# Altium PCB RF Triangulation Receiver.PcbDoc
Units mil, origin at the board's own origin, x right, y up, seen from the top; angles counter-clockwise.
Board outline 6000 x 4000 mil, 2 copper layers (Top Layer, Bottom Layer), stack 43.307 mil thick; 29 components, 17 nets, 179 pads, 23 vias.
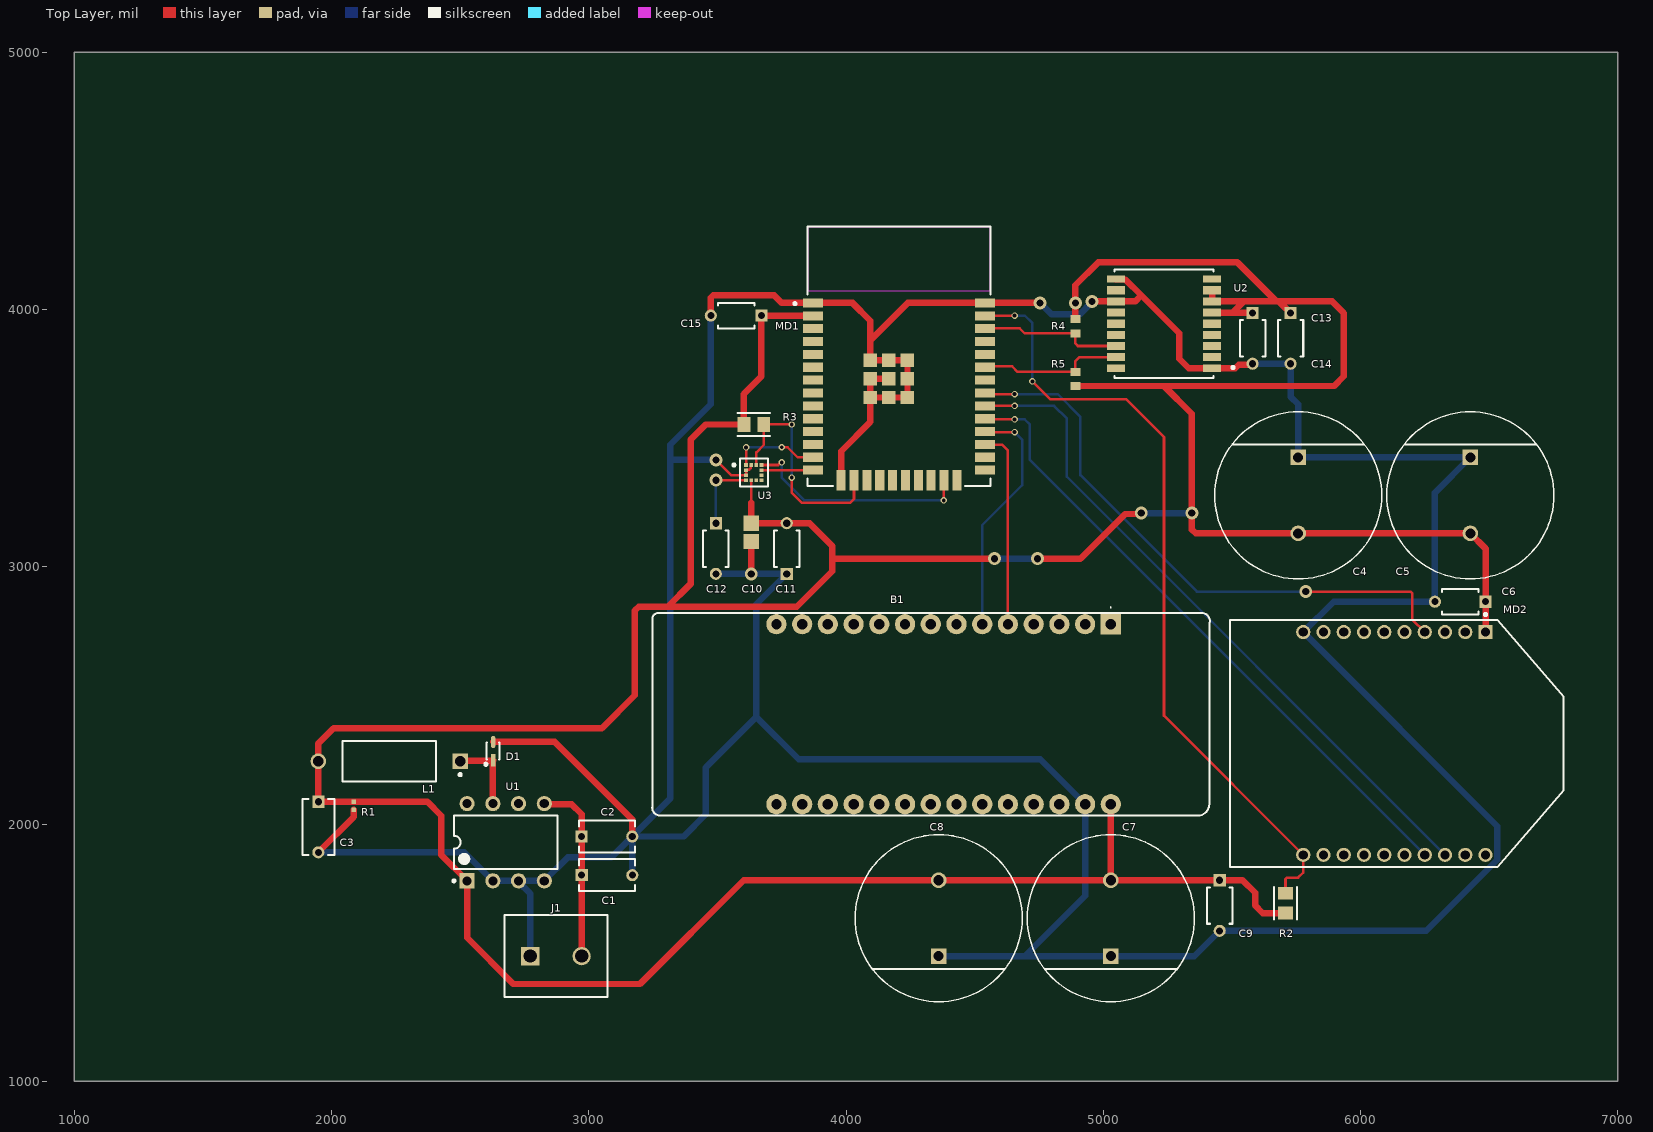
[diagram p0: Top Layer view]
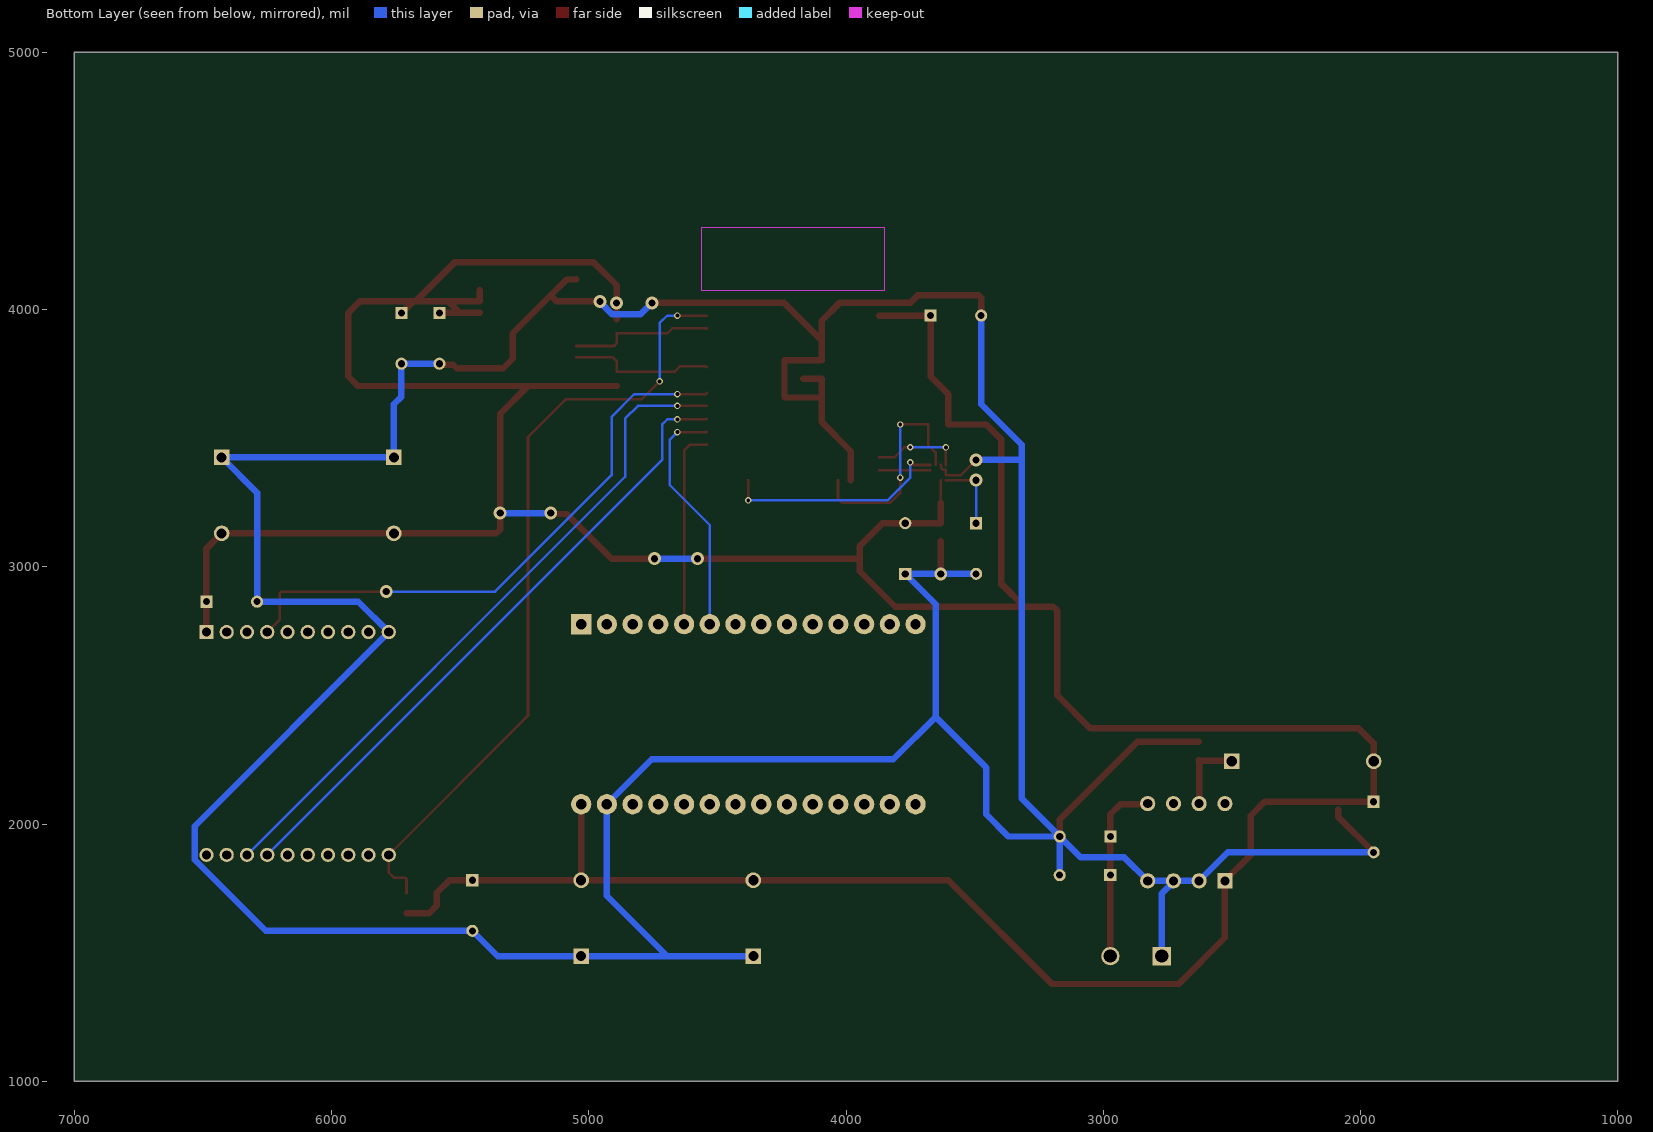
[diagram p1: Bottom Layer view, seen from below]
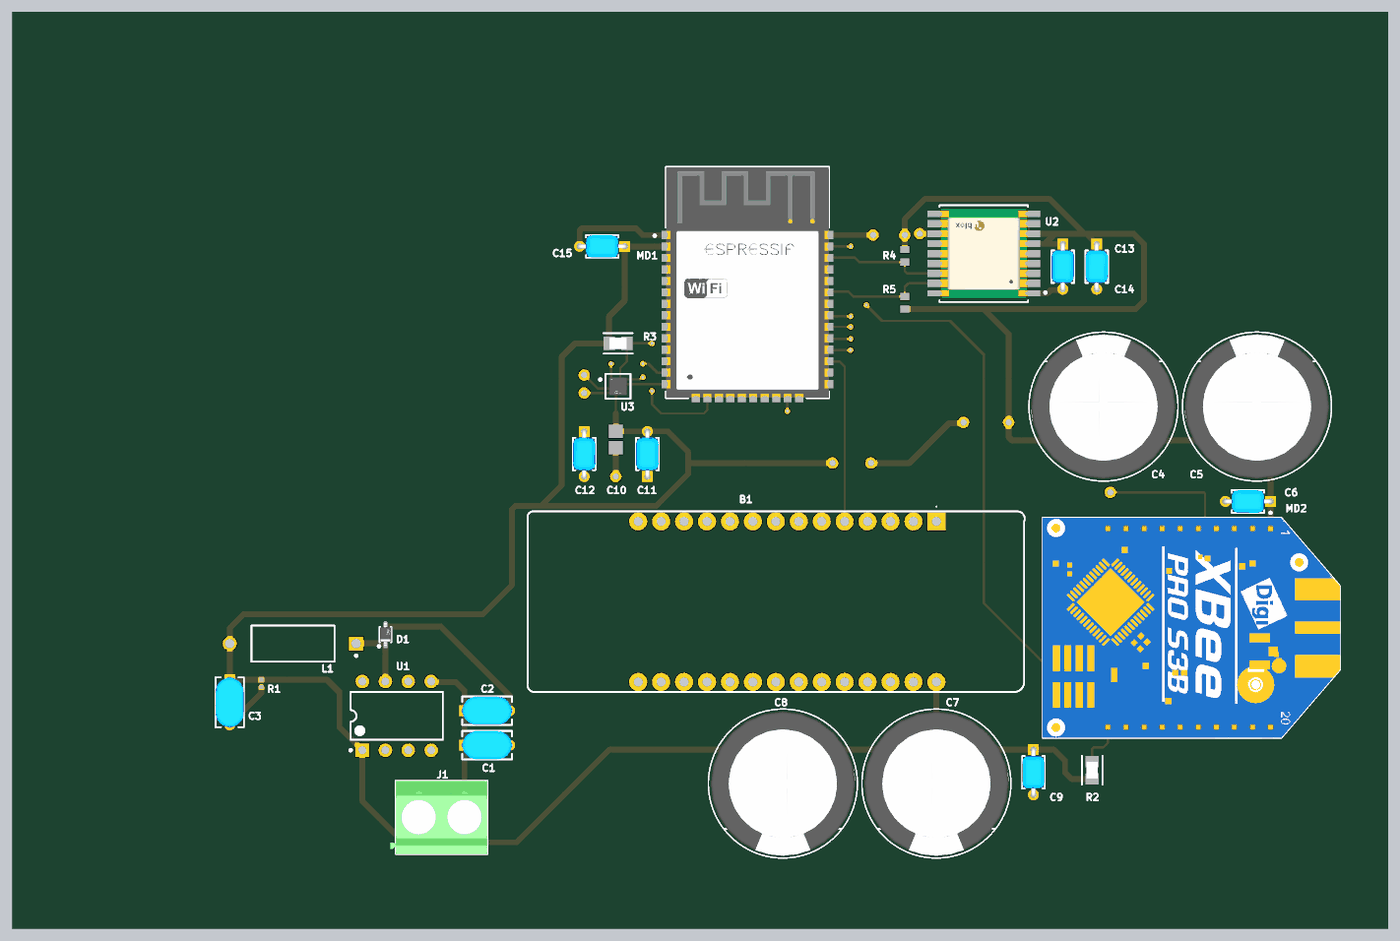
[diagram p2: 3D render of the assembled board from above, using the file's embedded part models]

## Layer stack, top to bottom
Top Solder: solder mask 1.9685, Solder Resist, Dk 3.5
Top Layer: signal copper 3.937
Dielectric 1: dielectric 35.4331, FR-4, Dk 4.8
Bottom Layer: signal copper 3.937
Bottom Solder: solder mask 1.9685, Solder Resist, Dk 3.5

## Board outline
1000,1000 7000,1000 7000,5000 1000,5000

## Design rules (kind name [scope] priority, off if disabled: settings)
Clearance [All] p1: gap=5.9 ignorepadtopadclearanceinfootprint=FALSE
PolygonConnect [All] p1: connectstyle=Relief reliefconductorwidth=10 reliefentries=4 polygonreliefangle="90 Angle" airgapwidth=10
RoutingVias [All] p1: holewidth=32 width=35 viastyle="Through Hole" minholewidth=32 minwidth=35 maxholewidth=34 maxwidth=35
SolderMaskExpansion [All] p1: expansion=4 istentingtop=FALSE
Width WidthPOW [(InNet('3.3') OR InNet('3.3V') OR InNet('GND') OR InNet('VCC'))] p1: maxlimit=30 minlimit=10 preferedwidth=25
Width [All] p2: maxlimit=10 minlimit=10 preferedwidth=10
30 further rules are at their usual default settings.

## Components (designator, comment, footprint, x,y, rotation, side; value= is the part's Value field where it differs from the comment)
B1 "1871-1010-ND" 18711010ND 5029.53,2776.77 r180 top
C1 "RDEC71E106K2K1H03B" FP-RDE2M1-MFG 3070.87,1801.18 r0 top
C2 "RDEC71E106K2K1H03B" FP-RDE2M1-MFG 3070.79,1951.54 r0 top
C3 "RDEC71E106K2K1H03B" FP-RDE2M1-MFG 1948.82,1988.19 r270 top
C4 "EEUFM0J562S" FP-RAD-TH-D_16_0_5-L_20_2-MFG 5757.87,3277.56 r270 top
C5 "EEUFM0J562S" FP-RAD-TH-D_16_0_5-L_20_2-MFG 6427.17,3277.56 r270 top
C6 "RCER71E104K0K1H03B" FP-RCE0K1-MFG 6387.8,2864.17 r180 top
C7 "EEUFM0J562S" FP-RAD-TH-D_16_0_5-L_20_2-MFG 5029.53,1633.86 r90 top
C8 "EEUFM0J562S" FP-RAD-TH-D_16_0_5-L_20_2-MFG 4360.24,1633.86 r90 top
C9 "RCER71E104K0K1H03B" FP-RCE0K1-MFG 5452.76,1683.07 r270 top
C10 "0805YC105JAT2A" CAPC2013X140X50ML20T25 3631.89,3133.86 r90 top
C11 "RCER71E104K0K1H03B" FP-RCE0K1-MFG 3769.68,3070.87 r90 top
C12 "RCER71E104K0K1H03B" FP-RCE0K1-MFG 3494.09,3070.87 r270 top
C13 "RCER71E104K0K1H03B" FP-RCE0K1-MFG 5728.35,3887.8 r270 top
C14 "RCER71E104K0K1H03B" FP-RCE0K1-MFG 5580.71,3887.8 r270 top
C15 "RCER71E104K0K1H03B" FP-RCE0K1-MFG 3572.83,3976.38 r180 top
D1 "BAT60AE6327HTSA1" FP-PG-SOD323-2-IPC_C 2627.95,2283.46 r90 top
J1 "1729128" PHOE-1729128-2_V 2872.44,1486.22 r0 top
L1 "B78108S1474J" EPCS-B78108S-2_V1 2224.41,2244.09 r180 top
MD1 "ESP32-WROOM-32D" FP-ESP32-WROOM-32D-MFG 4206.1,3818.5 r0 top
MD2 "XBP9B-DMUTB002" FP-XBP9B-DMUTB002-MFG 6141.73,2312.99 r270 top
R1 "ERJ-2RKF30R0X" RESC1005X40X25LL05T05 2086.61,2070.87 r90 top
R2 "CR0805-FX-1002ELF" FP-CR0805-IPC_A 5708.66,1692.01 r270 top
R3 "CR0805-FX-1002ELF" FP-CR0805-IPC_A 3641.73,3553.15 r180 top
R4 "RK73H1JTTD3301F" RESC1608X55X30NL20T10 4891.73,3935.04 r90 top
R5 "RK73H1JTTD3301F" RESC1608X55X30NL20T10 4891.73,3730.31 r270 top
U1 "LM2574N-3.3/NOPB" P0008A 2677.17,1929.13 r90 top
U2 "MAX-M8Q-0" FP-MAX-M8Q-0-MFG 5236.22,3944.88 r180 top
U3 "LIS3MDLTR" FP-VFLGA-12-8365767-MFG 3641.73,3366.14 r0 top

## Footprints (in the part's own frame and the unit in brackets; to place one, negate y for a bottom-side part, rotate by r counter-clockwise, add the part's x,y. Pads: shape width x height; smd on the part's side, far side on the other; paste and mask are expansions set on the pad)
18711010ND [mm]
  rect 2x2 hole 1.02: 1(0,0)
  round 2 hole 1.02: 2(2.54,0) 3(5.08,0) 4(7.62,0) 5(10.16,0) 6(12.7,0) 7(15.24,0) 8(17.78,0) 9(20.32,0) 10(22.86,0) 11(25.4,0) 12(27.94,0) 13(30.48,0) 14(33.02,0) 15(33.02,17.78) 16(30.48,17.78) 17(27.94,17.78) 18(25.4,17.78) 19(22.86,17.78) 20(20.32,17.78) 21(17.78,17.78) 22(15.24,17.78) 23(12.7,17.78) 24(10.16,17.78) 25(7.62,17.78) 26(5.08,17.78) 27(2.54,17.78) 28(0,17.78)
  silkscreen extent -9.78,-1.7 45.28,18.9
CAPC2013X140X50ML20T25 [mm] "Chip Capacitor, 2-Leads, Body 2.00x1.25mm, IPC Low Density"
  rect 1.5x1.55 smd: 1(-0.9,0) 2(0.9,0)
  body extent -1.1,-0.72 1.1,0.72, height 1.4
EPCS-B78108S-2_V1 [mm] "RF Choke, 2-Leads, Dia 4mm, Length 9.2mm, Pin Spacing 14mm"
  rect 1.55x1.55 hole 1.05: 1(-7,0)
  round 1.55 hole 1.05: 2(7,0)
  silkscreen extent -7.13,-2 4.6,2, body extent -7.4,-1.99 7.4,2, height 3.98
FP-CR0805-IPC_A [mil]
  rect 49.53x57.56 smd paste+0 mask+0: 1(-38.46,0) 2(38.46,0)
  silkscreen extent -63,-45 63,45, body extent -83,-48 83,48, height 10
FP-ESP32-WROOM-32D-MFG [mm]
  rect 2x0.9 smd paste+0 mask+0: 1(-8.5,5.26) 2(-8.5,3.99) 3(-8.5,2.72) 4(-8.5,1.45) 5(-8.5,0.18) 6(-8.5,-1.09) 7(-8.5,-2.36) 8(-8.5,-3.63) 9(-8.5,-4.9) 10(-8.5,-6.17) 11(-8.5,-7.44) 12(-8.5,-8.71) 13(-8.5,-9.98) 14(-8.5,-11.25) 25(8.5,-11.25) 26(8.5,-9.98) 27(8.5,-8.71) 28(8.5,-7.44) 29(8.5,-6.17) 30(8.5,-4.9) 31(8.5,-3.63) 32(8.5,-2.36) 33(8.5,-1.09) 34(8.5,0.18) 35(8.5,1.45) 36(8.5,2.72) 37(8.5,3.99) 38(8.5,5.26)
  rect 0.9x2 smd paste+0 mask+0: 15(-5.715,-12.25) 16(-4.445,-12.25) 17(-3.175,-12.25) 18(-1.905,-12.25) 19(-0.635,-12.25) 20(0.635,-12.25) 21(1.905,-12.25) 22(3.175,-12.25) 23(4.445,-12.25) 24(5.715,-12.25)
  rect 1.33x1.33 smd paste+0 mask+0: 39(-2.835,-4.075) 39(-2.835,-2.24) 39(-2.835,-0.405) 39(-1,-4.075) 39(-1,-2.24) 39(-1,-0.405) 39(0.835,-4.075) 39(0.835,-2.24) 39(0.835,-0.405)
  Keep-Out Layer region: -9,6.45 9,6.45 9,12.75 -9,12.75
  Keep-Out Layer region: -9,6.45 9,6.45 9,12.75 -9,12.75
  silkscreen extent -10.4,-12.8 9.05,12.8, body extent -9.6,-13.35 9.6,12.9, height 0.25
FP-MAX-M8Q-0-MFG [mm]
  rect 1.8x0.7 smd paste-1000 mask-1000: 1(-4.75,4.4) 9(-4.75,-4.4) 10(4.75,-4.4) 18(4.75,4.4)
  rect 1.8x0.8 smd paste-1000 mask-1000: 2(-4.75,3.3) 3(-4.75,2.2) 4(-4.75,1.1) 5(-4.75,0) 6(-4.75,-1.1) 7(-4.75,-2.2) 8(-4.75,-3.3) 11(4.75,-3.3) 12(4.75,-2.2) 13(4.75,-1.1) 14(4.75,0) 15(4.75,1.1) 16(4.75,2.2) 17(4.75,3.3)
  silkscreen extent -6.95,-5.35 4.9,5.35, body extent -6.35,-5.45 6.35,5.45, height 0.25
FP-PG-SOD323-2-IPC_C [mil]
  rect 47.45x17.16 smd paste+0 mask+0: 1(-35.45,0)
  rrect100% 47.45x17.16 smd paste+0 mask+0: 2(35.45,0)
  silkscreen extent -56,-26 33,33, body extent -63,-29 63,29, height 10
FP-RAD-TH-D_16_0_5-L_20_2-MFG [mm]
  rect 1.55x1.55 hole 1 paste-1000 mask+0: 1(-3.75,0)
  round 1.55 hole 1 paste-1000 mask+0: 2(3.75,0)
  silkscreen extent -8.25,-8.25 8.25,8.25, body extent -8.35,-8.35 8.35,8.35, height 0.25
FP-RCE0K1-MFG [mm]
  rect 1.2x1.2 hole 0.7 paste-1000 mask+0: 1(-2.5,0)
  round 1.2 hole 0.7 paste-1000 mask+0: 2(2.5,0)
  silkscreen extent -1.8,-1.25 1.8,1.25, body extent -3.2,-1.35 3.2,1.35, height 0.25
FP-RDE2M1-MFG [mm]
  rect 1.2x1.2 hole 0.7 paste-1000 mask+0: 1(-2.5,0)
  round 1.2 hole 0.7 paste-1000 mask+0: 2(2.5,0)
  silkscreen extent -2.75,-1.58 2.75,1.58, body extent -3.2,-1.68 3.2,1.68, height 0.25
FP-VFLGA-12-8365767-MFG [mm]
  rect 0.375x0.35 smd paste+0 mask+0: 1(-0.763,0.75) 2(-0.763,0.25) 3(-0.763,-0.25) 4(-0.763,-0.75) 7(0.763,-0.75) 8(0.763,-0.25) 9(0.763,0.25) 10(0.763,0.75)
  rect 0.35x0.375 smd paste+0 mask+0: 5(-0.25,-0.763) 6(0.25,-0.763) 11(0.25,0.763) 12(-0.25,0.763)
  silkscreen extent -2.1,-1.38 1.38,1.38, body extent -1.58,-1.58 1.58,1.58, height 0.25
FP-XBP9B-DMUTB002-MFG [mm]
  rect 1.4x1.4 hole 0.9 paste-1000 mask+0: 1(-11,8.75)
  round 1.4 hole 0.9 paste-1000 mask+0: 2(-11,6.75) 3(-11,4.75) 4(-11,2.75) 5(-11,0.75) 6(-11,-1.25) 7(-11,-3.25) 8(-11,-5.25) 9(-11,-7.25) 10(-11,-9.25) 11(11,-9.25) 12(11,-7.25) 13(11,-5.25) 14(11,-3.25) 15(11,-1.25) 16(11,0.75) 17(11,2.75) 18(11,4.75) 19(11,6.75) 20(11,8.75)
  silkscreen extent -12.86,-16.47 12.19,16.47, body extent -12.29,-16.57 12.29,16.57, height 0.25
P0008A [mm] "DIP, 8-Leads, Body 10.15x6.6mm, Pitch 2.54mm"
  rect 1.5x1.5 hole 0.9: 1(-3.81,3.81)
  round 1.5 hole 0.9: 2(-3.81,1.27) 3(-3.81,-1.27) 4(-3.81,-3.81) 5(3.81,-3.81) 6(3.81,-1.27) 7(3.81,1.27) 8(3.81,3.81)
  silkscreen extent -3.93,-5.1 2.65,5.23, body extent -3.95,-5.07 3.95,5.07, height 5.08
PHOE-1729128-2_V [mm] "Receptacle, 2-Leads, Body 8.1x10.16mm, Pitch 5.08mm"
  rect 1.8x1.8 hole 1.3: 1(-2.54,0)
  round 1.8 hole 1.3: 2(2.54,0)
  silkscreen extent -5.08,-4.05 5.08,4.05, body extent -5.65,-4.05 5.08,4.05, height 10.01
RESC1005X40X25LL05T05 [mm] "Chip Resistor, 2-Leads, Body 1.00x0.50mm, IPC High Density"
  rect 0.45x0.45 smd: 1(-0.4,0) 2(0.4,0)
  body extent -0.53,-0.27 0.53,0.28, height 0.4
RESC1608X55X30NL20T10 [mm] "Chip Resistor, 2-Leads, Body 1.60x0.80mm, IPC Medium Density"
  rect 0.8x1 smd: 1(-0.7,0) 2(0.7,0)
  body extent -0.9,-0.5 0.9,0.5, height 0.55

## Part data
B1: "- ESP32, G01 Transceiver; 802.11 b/g/n (Wi-Fi, WiFi, WLAN), Bluetooth Smart Ready 4.x Dual Mode 2.4GHz Evaluation Board", Manufacturer_Name=Pycom, Datasheet Link=https://docs.pycom.io/gitbook/assets/specsheets/Pycom_002_Specsheets_GPy_v2.pdf, Geometry.Height=5.8mm, Manufacturer_Part_Number=1871-1010-ND
C1 C2 C3: library part CMP-06035-050717-1, "Ceramic Capacitor 10uF ±10% 25V X7S Radial", Capacitance=10uF, Case/Package=Radial, Dielectric=X7S, Max Operating Temperature=125°C, Min Operating Temperature=-55°C, Package Quantity=500, Resistor Type=Ceramic, Tolerance=10%, Voltage Rating=25V, Height=4mm, Height - Seated (Max)=0.236inch, Lead Diameter=0.5mm, Lead Free="Lead Free", Lead Pitch=0.197inch, Lead/Base Style="Formed Leads", Length=5.5mm, Mount="Through Hole", Packaging=Bulk, Termination=Radial, Voltage Rating (DC)=25V, Width=0.124inch
C4 C5 C7 C8: library part CMP-05427-001489-1, "Aluminum Electrolytic Capacitors (Radial Lead Type) 5600uF ±20% 6.3V", Capacitance=5.6mF, Case/Package=Radial, ESR (Equivalent Series Resistance)=17mR, Max Operating Temperature=105°C, Min Operating Temperature=-40°C, Package Quantity=100, Ripple Current=3.3A, Tolerance=20%, Voltage=6.3V, Construction=RADIAL, Diameter=16mm, Dissipation Factor=0.22%, Height=20mm, Height - Seated (Max)=0.866inch, Impedance=17mR, Lead Diameter=0.8mm, Lead Free="Lead Free", Lead Pitch=7.5mm, Lead/Base Style=Straight, Length=20mm, Life (Hours)=5000Hour, Mount="Through Hole", Packaging=Bulk, Radiation Hardening=No, REACH SVHC="No SVHC", RoHS Compliant=Yes, Series=FM, Termination=Radial, Voltage Rating=6.3V, Voltage Rating (DC)=6.3V
C6 C9 C11 C12 C13 C14 C15: library part CMP-06035-038410-1, "Cap Ceramic 100nF 25V X7R ±10% Radial 5mm +125°C Automotive Bulk", Capacitance=0.1uF
C10: library part CMP-1036-04744-2, Capacitance=1uF, Manufacturer="AVX Interconnect / Elco", Part Number=0805YC105JAT2A
D1: library part CMP-32890-000004-1, "DIODE SCHOTTKY 10V 3A SOD323-2", Average Rectified Current=3A, Case/Package=SOD-323-2, Forward Voltage=370mV, Max Operating Temperature=85°C, Max Repetitive Reverse Voltage (Vrrm)=10V, Min Operating Temperature=-55°C, Peak Non-Repetitive Surge Current=5A, Contact Plating=Tin, Current Rating=3A, Element Configuration=Single, Forward Current=3A, Halogen Free="Not Halogen Free", Lead Free="Lead Free", Max Reverse Voltage (DC)=10V, Mount="Surface Mount", Number of Pins=2, Output Current=3A, Packaging="Tape and Reel", Polarity=Standard, Radiation Hardening=No, REACH SVHC="No SVHC", Voltage Rating (DC)=10V
J1: library part CMP-2000-05815-1, "PCB Terminal Block, 13.5 A, 400 V, 2-Pin THD, RoHS, Bulk", Current Rating=13500mA, Manufacturer="Phoenix Contact", Package Description="2-Pin Through Hole Device, Body 8.1 x 10.16 mm, Pitch 5.08 mm", Package Reference=1729128-2, Package Version=03/2015, Voltage Rating=400V, Datasheet URL=https://datasheet.ciiva.com/16046/1729128-16046181.pdf, Datasheet Version=12/2013, Manufacturer URL=http://www.phoenixcontact.com/, Mounting Technology=ThroughHole, No. of Positions=2, No. of Rows=1, Orientation=Horizontal, Package URL=https://www.phoenixcontact.com/online/portal/pi/pxc/product_detail_page/!ut/p/b1/3VdJjqNKFDxLH8AFycySyWY2ozFsEPOMMQaDOX1XedGL_1Vdm5YXJleknhSKeBkvI6EA8ncAo3AYoDhBQGco6KN7VURTdemj9us_IEKEZo_YHiPAEWEFmDGOHMORkqKYCORBZxgL7ZoaZYcbFFUZ3fqxSY6GOuxydWUuHqz1ynmMFygu583Bob0Ewr6Sd_l-5m-kAueHiB0jpRwZwe58wwtkpxtMYd_LmGcDRU02dRNEyWt6Y2ti5pSyJ_reIkzIulrqApdnbT11V5jnCKbYNCvhEM1MCpPByat_X379-iThf08CI5GfOPqfBeS3BRoBOdD55AKVv0iLwCMq-2BrzXWSGRH7pUGD9uwXQjiph3xL0DKQwdGa0JImiIOmBNOestqgwTHSSs2oOep-78apyXQBvNi8ZLaFjvjWvcaUEBu0MC6Wbe-d6mB0FAebo2lUWinqYaZs5DAYzV0RP9yitUjnGJ0iI9xhZkT42OCQNUJJhkgWINNQLP2JFP6OpMg3JCVg70jqHT0lvKOnhHf0lPuOnnLf0VPuWx6_dxwUIvwk5WMkT0kLL1mh61l2yZVSzG3pYV_bqo-mj6uMKwKwdnnW8Jh5RTOJzMOA5c-eJDaZQw4mTMPH02PvS_ZAqNVjVTo2WyYLkwH_KU1mmmG5kjRhDqPXLwwVHvVOjCM60-fpXvTDfMGW1PVFVS1r4e4yVDk4ZdNbkUHvqPqQSeian4UD39fNKmachqdJ1NJbyk8rXT9mXTvPk3oE5meulKGgiruPJek-4I9hTT6G8ZLOyRSm2RRVbThERQad5OS28hdt4YW4vG0stgYYzsWsK4_7y6DZMjJSCqri1kyiZR5vD7pwIrNR7QwPHTcLTI5qT7eRlpHrdGiupYlqQDJ7zy_CND8fWWBoLRXxk1RVcXiBQwbTD4Xi7KL-FuO94t9xaqweXzH, Packing=Bulk, PartNumber=1729128, Pitch=5.08mm, RoHS=TRUE
L1: library part CMP-0816-00001-1, "RF Choke, 470 uH +/- 5%, 170 mA, Dia 4 mm, Length 9.2 mm, Axial Leads, RoHS, Tape and Reel", Manufacturer=EPCOS, Tolerance="+/- 5%", ComponentLink1Description="Manufacturer URL", ComponentLink1URL=http://www.epcos.com/, ComponentLink2Description=Datasheet, ComponentLink2URL=http://www.epcos.com/inf/30/db/ind_2008/b78108_148s.pdf, DatasheetVersion=Jun-12, FQ="0.796 MHz", Fres="2.2 MHz Min.", IR="170 mA", LR="470 uH", Mounting Technology="Through Hole", PackageDescription="2-Pin RF Choke, Dia 4 mm, Length 9.2 mm", PackageReference=B78108S-2, Packing="Tape and Reel", PartNumber=B78108S1474J, Q="70 Min.", R="7.9 Ohm Max.", RoHS=TRUE
MD1: library part CMP-194065-000003-1, "WIFI MODULE 32MBITS SPI FLASH", Manufacturer="Espressif Systems", Max Frequency=2484MHz, Max Supply Voltage=3.6V, Min Supply Voltage=3V, Nominal Supply Current=500mA, Temperature="-40°C to +85°C", Temperature Range High=+85°C, Temperature Range Low=-40°C, Automotive=No, Bandwidth=72MHz, Category=UNK, ComponentLink2Description=Datasheet, ComponentLink2URL=https://www.espressif.com/sites/default/files/documentation/esp32-wroom-32d_esp32-wroom-32u_datasheet_en.pdf, Data Rate=150Mbits/s, Device Class L1="Integrated Circuits (ICs)", Device Class L2="RF Semiconductors and Devices", Device Class L3=Transceivers, Digikey Description="WIFI MODULE 32MBITS SPI FLASH", Height=3.2mm, Interface=I2C,SPI,UART,Ethernet,I2S,Other, Lead Free=Yes, Manufacturer Part Number=ESP32-WROOM-32D, Mouser Description="Wi-Fi/BT BLE Module ESP32-D0WD, SPI Flash, UART, P", Number Of Adc Channels=16, Number Of Gpio=32, Octopart=https://octopart.com/esp32-wroom-32d-espressif+systems-91040050, Package=ESP32-WROOM-32D, RoHS=TRUE, Sensitivity=-98dBm
MD2: library part CMP-84319-000004-1, "RX TXRX MOD ISM < 1GHZ U.FL TH", Case/Package=Module, Current - Receiving=29mA, Current - Transmitting=215mA, Frequency=900MHz, Max Frequency=928MHz, Max Operating Temperature=85°C, Max Supply Voltage=3.6V, Min Frequency=902MHz, Min Operating Temperature=-40°C, Min Supply Voltage=2.4V, Output Power (dBm)=24dBm, Package Quantity=1, Data Rate=200Kbps, Interface=SPI, Memory Size=2KB, Number of Pins=20, Packaging=Bulk, Radiation Hardening=No, RAM Size=2KB, Sensitivity=-101dBm, Series=XBee-Pro™
R1: library part CMP-2002-00857-1, Manufacturer=Panasonic, Resistance=30R, Part Number=ERJ-2RKF30R0X
R2 R3: library part CMP-07231-003204-1, "Thick Film Chip Resistors 0805 10kΩ 0.125W 1% 100ppm/°C", Case Code (Imperial)=0805, Case Code (Metric)=2012, Max Operating Temperature=155°C, Max Power Dissipation=125mW, Min Operating Temperature=-55°C, Package Quantity=1, Resistance=10kR, Temperature Coefficient=100ppm/°C, Tolerance=1%, Voltage Rating=150V, Voltage Rating (DC)=100V, Case/Package=0805, Composition="Thick Film", Contact Plating=Tin, Depth=1.25mm, Features="Moisture Resistant", Height=0.5mm, Length=2mm, Mount="Surface Mount", Number of Terminations=2, Packaging="Tape and Reel", Power Rating=125mW, Radiation Hardening=No, REACH SVHC="No SVHC", Termination=SMD/SMT, Thickness=508um, Width=1.25mm
R4 R5: library part CMP-2000-01423-1, Manufacturer="KOA Speer", Resistance=3.3kR, Part Number=RK73H1JTTD3301F
U1: library part CMP-0069-00460-3, "SIMPLE SWITCHER® 0.5A Step-Down Voltage Regulator, 8-pin MDIP, Pb-Free", Manufacturer="Texas Instruments", PackageTopMarking="NSUZXYTTE#*LM2574N*-3.3 P+", PowerWise=N, Code_JEDEC=MS-001-BA, ComponentLink1Description="Datasheet URL", ComponentLink1URL=http://www.ti.com/general/docs/lit/getliterature.tsp?genericPartNumber=LM2574&fileType=pdf, CompType=Switcher, PackageDescription="MDIP, .365 x .250 x .130in, 8 Lead, .100in Pitch", PackageReference=P0008A, PinCount=8, RoHS=Y
U2: library part CMP-207130-000017-1, "RF RCVR GNSS/GPS 1.575GHZ 18LCC", Case/Package=SMD/SMT, Current - Receiving=23mA, Frequency=1.575GHz, Max Operating Temperature=85°C, Min Operating Temperature=-40°C, Interface=I2C, Packaging="Cut Tape", RoHS Compliant=Yes, Sensitivity=-167dBm
U3: library part CMP-2000-07463-2, "SENSOR MR I2C/SPI 12LGA", Manufacturer=STMicroelectronics, Max Supply Voltage=3.6V, Min Supply Voltage=1.71V, Operating Supply Current=40-270uA, Package=VFLGA-12-8365767, Temperature="-40°C to +85°C", Temperature Range High=+85°C, Temperature Range Low=-40°C, Automotive=No, Category=IC, ComponentLink2Description=Datasheet, ComponentLink2URL=https://www.st.com/resource/en/datasheet/lis3mdl.pdf, Device Class L1=Sensors, Device Class L2="Magnetic Sensors", Device Class L3=unset, Digikey Description="SENSOR MR I2C/SPI 12LGA", Footprint Url=https://www.st.com/content/ccc/resource/technical/document/technical_note/73/17/9c/16/dd/96/4a/01/CD00134799.pdf/files/CD00134799.pdf/jcr:content/translations/en.CD00134799.pdf, Height=1mm, Lead Free=Yes, Manufacturer Part Number=LIS3MDLTR, Mouser Description="Board Mount Hall Effect / Magnetic Sensors Ultra Lo-Pwr Hi Perf 3-Axis 1.9-3.6V", Octopart=https://octopart.com/lis3mdltr-stmicroelectronics-29403125, RoHS=TRUE, Sensing Method=Magnetic, Sensor Output=I2C,SPI

## Via types
v1: diameter 25, hole 15, Top Layer to Bottom Layer, 12 vias
v2: diameter 50, hole 28, Top Layer to Bottom Layer, 11 vias

## Nets (pads, with @x,y where several pads share a name; then routed paths per layer and width w, separated by ;. In a path a pad name is that pad's centre, name@x,y a point inside that pad or via, vN(x,y) a via of type N, cw(c..) or ccw(c..) an arc to the next point about the centre after c; other vN are vias at no path point)
3.3: D1.1 L1.1 U1.7 | length 298.2
  Top Layer w25: L1.1 2501.96,2246.05 2625.99,2246.05 D1.1@2627.56,2247.62 ; U1.7 2627.56,2079.53 D1.1@2627.56,2247.62 ; D1.1 D1.1@2627.56,2247.62
3.3V: B1.28 C3.1 C4.2 C5.2 C6.1 C7.2 C8.2 C9.1 C10.2 C11.2 C13.1 C14.1 C15.1 L1.2 MD1.2 MD2.1 R1.2 R2.2 R3.2 R4.2 R5.2 U1.1 U2.6 U2.7 U2.8 U3.5 | length 16447.6
  Top Layer w10: 3631.89,3248.03 U3.5
  Top Layer w25: 3631.89,3248.03 C10.2 C11.2 3858.27,3169.29 3946.85,3080.71 3946.85,3031.5 ; MD1.2 3871.06,3975.98 3671.65,3975.98 C15.1 3671.26,3740.16 3602.36,3671.26 3602.36,3554.06 R3.2 3454.72,3553.15 3395.67,3494.09 3395.67,2933.07 3307.09,2844.49 ; v2(4576.77,3031.5) 3946.85,3031.5 ; v2(4744.09,3031.5) 4911.42,3031.5 5085.14,3205.22 5144.19,3205.22 v2(5147.64,3208.66) ; R5.2 5236.22,3702.76 ; R4.2 v2(4891.73,4025.59) 4891.73,4094.49 4980.31,4183.07 5521.65,4183.07 5673.23,4031.5 ; B1.28 C7.2 ; U2.6 5424.21,3987.2 5501.97,3987.2 ; U2.8 U2.7 5546.26,4031.5 ; C14.1 5579.72,3987.2 5501.97,3987.2 ; R2.2 5620.08,1653.54 5590.55,1683.07 5590.55,1732.28 5541.34,1781.5 C9.1 C7.2 ; C13.1 5683.07,4031.5 ; MD2.1 C6.1 6486.22,3070.87 C5.2 C4.2 5359.13,3129.92 5344.49,3144.57 v2(5344.49,3208.66) 5344.49,3594.49 5236.22,3702.76 ; 3307.09,2844.49 3809.06,2844.49 3946.85,2982.28 3946.85,3031.5 ; 3307.09,2844.49 3193.78,2844.49 3179.13,2829.84 3179.13,2500 3051.18,2372.05 2007.87,2372.05 1948.82,2312.99 L1.2 C3.1 R1.2 2372.8,2086.61 2426.82,2032.6 2426.82,1879.48 U1.1 2527.17,1557.48 2706.69,1377.95 3198.82,1377.95 3602.36,1781.5 C8.2 C7.2 ; 5236.22,3702.76 5897.64,3702.76 5935.04,3740.16 5935.04,3986.22 5889.76,4031.5 5683.07,4031.5 ; 5501.97,3987.2 5546.26,4031.5 ; 5546.26,4031.5 5673.23,4031.5 ; 5673.23,4031.5 5683.07,4031.5
  Bottom Layer w25: v2(4576.77,3031.5) v2(4744.09,3031.5) ; v2(5147.64,3208.66) v2(5344.49,3208.66)
GND: B1.27 C1.2 C2.2 C3.2 C4.1 C5.1 C6.2 C7.1 C8.1 C9.2 C10.1 C11.1 C12.2 C13.2 C14.2 C15.2 D1.2 J1.1 MD1.1 MD1.15 MD1.38 MD1.39 MD2.10 R1.1 U1.2 U1.3 U1.4 U2.1 U2.10 U2.12 U3.2 U3.3 U3.12 | length 18808
  Top Layer w10: v2(3494.09,3415.35) 3553.15,3356.3 U3.3 U3.2 3612.2,3375.98 3614.1,3377.88 3623.61,3377.88 3630,3384.27 3630,3394.27 U3.12
  Top Layer w25: C3.2 2086.61,2027.56 R1.1 ; D1.2 2868.09,2318.92 3169.21,2017.8 C2.2 ; U1.3@2727.17,1774.89 U1.3 ; C15.2 3474.41,4045.28 3484.25,4055.12 3720.47,4055.12 3750,4025.59 MD1.1 4025.59,4025.59 4094.49,3956.69 4094.49,3879.63 ; v2(3631.89,2972.44) C10.1 ; MD1.15 3981.1,3449.61 4094.49,3562.99 MD1.39@4094.49,3658.07 ; MD1.39@4166.73,3730.32 4094.49,3730.32 MD1.39@4094.49,3658.07 ; v2(4753.94,4025.59) MD1.38 4240.45,4025.59 4094.49,3879.63 ; v2(4956.69,4031.5) U2.12 5124.02,4031.5 5147.55,4055.03 ; U2.10 5050.49,4116.83 5085.74,4116.83 5147.55,4055.03 ; C14.2 5576.45,3785.11 5527.24,3785.11 5513.78,3771.65 5332.68,3771.65 5295.28,3809.06 5295.28,3907.3 5147.55,4055.03 ; MD1.39@4094.49,3658.07 4166.73,3658.07 4238.98,3658.07 4238.98,3730.32 4238.98,3802.56 4166.73,3802.56 4094.49,3802.56 4094.49,3879.63
  Bottom Layer w25: C3.2 2516.54,1889.76 U1.2 U1.3 U1.4 2918.11,1870.08 3087.76,1870.08 C2.2 ; U1.3@2727.17,1774.89 2772.44,1729.62 J1.1 ; C1.2 3169.25,1951.5 C2.2 ; C15.2 3474.41,3631.89 3316.93,3474.41 3316.93,3415.35 ; C12.2 v2(3631.89,2972.44) C11.1 3651.57,2854.33 3651.57,2416.22 ; v2(3494.09,3415.35) 3316.93,3415.35 ; C8.1 4694.88,1486.22 ; v2(4753.94,4025.59) 4755.53,4025.59 4798.93,3982.19 4909.71,3982.19 4956.69,4029.17 v2(4956.69,4031.5) ; C14.2 C13.2 5728.35,3661.42 5757.87,3631.89 C4.1 C5.1 6289.37,3287.4 C6.2 5895.67,2864.17 MD2.10 6532.18,1991.44 6532.18,1860.88 6255.94,1584.65 C9.2 5354.33,1486.22 C7.1 4694.88,1486.22 ; C2.2 3316.93,2099.25 3316.93,3415.35 ; C2.2 3368.86,1951.54 3454.72,2037.4 3454.72,2219.37 3651.57,2416.22 ; 3651.57,2416.22 3816.16,2251.64 4754.66,2251.64 B1.27 4929.53,1720.87 4694.88,1486.22
"GPY UART RX": B1.6 MD1.28 | length 939.1
  Top Layer w10: MD1.28 4542.72,3523.62 v1(4655.51,3523.62)
  Bottom Layer w10: B1.6 4529.53,3161.42 4685.04,3316.93 4685.04,3494.09 v1(4655.51,3523.62)
"GPY UART TX": B1.5 MD1.27 | length 773.3
  Top Layer w10: MD1.27 4541.93,3474.41 4606.3,3474.41 4629.53,3451.18 B1.5
"MAG SPI CLK": MD1.13 U3.1 | length 345.1
  Top Layer w10: U3.1 v1(3611.71,3464.07) ; v1(3750,3464.57) 3773.4,3464.57 3812.38,3425.59 MD1.13 MD1.13@3871.06,3425.2
  Bottom Layer w10: v1(3611.71,3464.07) 3611.96,3464.32 3749.75,3464.32 v1(3750,3464.57)
"MAG SPI CS": MD1.23 U3.10 | length 886.8
  Top Layer w10: U3.10 3674.13,3395.67 3736.1,3395.67 3745.94,3405.51 v1(3750,3405.51) ; v1(4379.92,3257.87) 4379.92,3335.04 MD1.23
  Bottom Layer w10: v1(3750,3405.51) 3750,3346.46 3838.58,3257.87 v1(4379.92,3257.87)
"MAG SPI MISO": MD1.14 U3.9 | length 199.9
  Top Layer w10: U3.9 3871.06,3375.98 MD1.14
"MAG SPI MOSI": MD1.16 R3.1 U3.11 | length 881.8
  Top Layer w10: U3.11 3651.57,3444.88 3680.2,3473.5 R3.1 3681.1,3554.06 3788.46,3554.06 v1(3789.37,3553.15) ; v1(3789.37,3346.46) 3789.37,3287.4 3828.74,3248.03 4015.75,3248.03 4031.1,3263.39 MD1.16
  Bottom Layer w10: v1(3789.37,3346.46) v1(3789.37,3553.15)
NetC12_1: C12.1 U3.4 | length 284.9
  Top Layer w10: v2(3494.09,3336.61) U3.4
  Bottom Layer w10: C12.1 v2(3494.09,3336.61)
"UB I2C SCL": MD1.33 R5.1 U2.17 | length 566.9
  Top Layer w10: MD1.33 4544.69,3779.53 4645.67,3779.53 4667.32,3757.87 R5.1 4891.73,3799.21 4907.48,3814.96 U2.17
"UB I2C SDA": MD1.36 R4.1 U2.16 | length 560.7
  Top Layer w10: MD1.36 4542.32,3927.17 4675.2,3927.17 4694.88,3907.48 R4.1 4891.73,3868.11 4901.57,3858.27 U2.16
VCC: C1.1 C2.1 J1.2 U1.5 | length 713.7
  Top Layer w25: U1.5 2829.53,2076.77 2933.07,2076.77 2972.36,2037.48 C2.1 C2.1 C1.1 C1.1 J1.2
"XB SPI CLK": MD1.30 MD2.18 | length 2643.7
  Top Layer w10: MD1.30 v1(4655.51,3625.59)
  Bottom Layer w10: v1(4655.51,3625.59) 4809.45,3625.59 4858.66,3576.38 4858.66,3350 MD2.18
"XB SPI MISO": MD1.31 MD2.4 | length 2286.9
  Top Layer w10: MD1.31 4545.08,3671.26 v1(4655.51,3671.26) ; v2(5787.4,2903.54) 6194.93,2903.54 6200.79,2897.69 6200.79,2795.28 MD2.4
  Bottom Layer w10: v1(4655.51,3671.26) 4656.14,3670.63 4823.46,3670.63 4911.42,3582.68 4911.42,3356.3 5364.17,2903.54 v2(5787.4,2903.54)
"XB SPI MOSI": MD1.37 MD2.11 R2.1 | length 3075.7
  Top Layer w10: MD1.37 4541.54,3976.38 v1(4655.51,3976.38) ; v1(4724.41,3720.47) 4793.31,3651.57 5088.58,3651.57 5236.22,3503.94 5236.22,2421.26 MD2.11 5777.56,1811.02 5757.87,1791.34 5714.52,1791.34 5708.66,1785.48 R2.1
  Bottom Layer w10: v1(4655.51,3976.38) 4694.88,3976.38 4724.41,3946.85 v1(4724.41,3720.47)
"XB SPI SEL": MD1.29 MD2.17 | length 2492.3
  Top Layer w10: MD1.29 4543.5,3572.83 v1(4655.51,3572.83)
  Bottom Layer w10: v1(4655.51,3572.83) 4694.88,3572.83 4714.57,3553.15 4714.57,3415.35 MD2.17
pads on no net: B1.1 B1.2 B1.3 B1.4 B1.7 B1.8 B1.9 B1.10 B1.11 B1.12 B1.13 B1.14 B1.15 B1.16 B1.17 B1.18 B1.19 B1.20 B1.21 B1.22 B1.23 B1.24 B1.25 B1.26 MD1.3 MD1.4 MD1.5 MD1.6 MD1.7 MD1.8 MD1.9 MD1.10 MD1.11 MD1.12 MD1.17 MD1.18 MD1.19 MD1.20 MD1.21 MD1.22 MD1.24 MD1.25 MD1.26 MD1.32 MD1.34 MD1.35 MD2.2 MD2.3 MD2.5 MD2.6 MD2.7 MD2.8 MD2.9 MD2.12 MD2.13 MD2.14 MD2.15 MD2.16 MD2.19 MD2.20 U1.6 U1.8 U2.2 U2.3 U2.4 U2.5 U2.9 U2.11 U2.13 U2.14 U2.15 U2.18 U3.6 U3.7 U3.8